# Allegro board DPU_PoE_A1_Sep27.brd
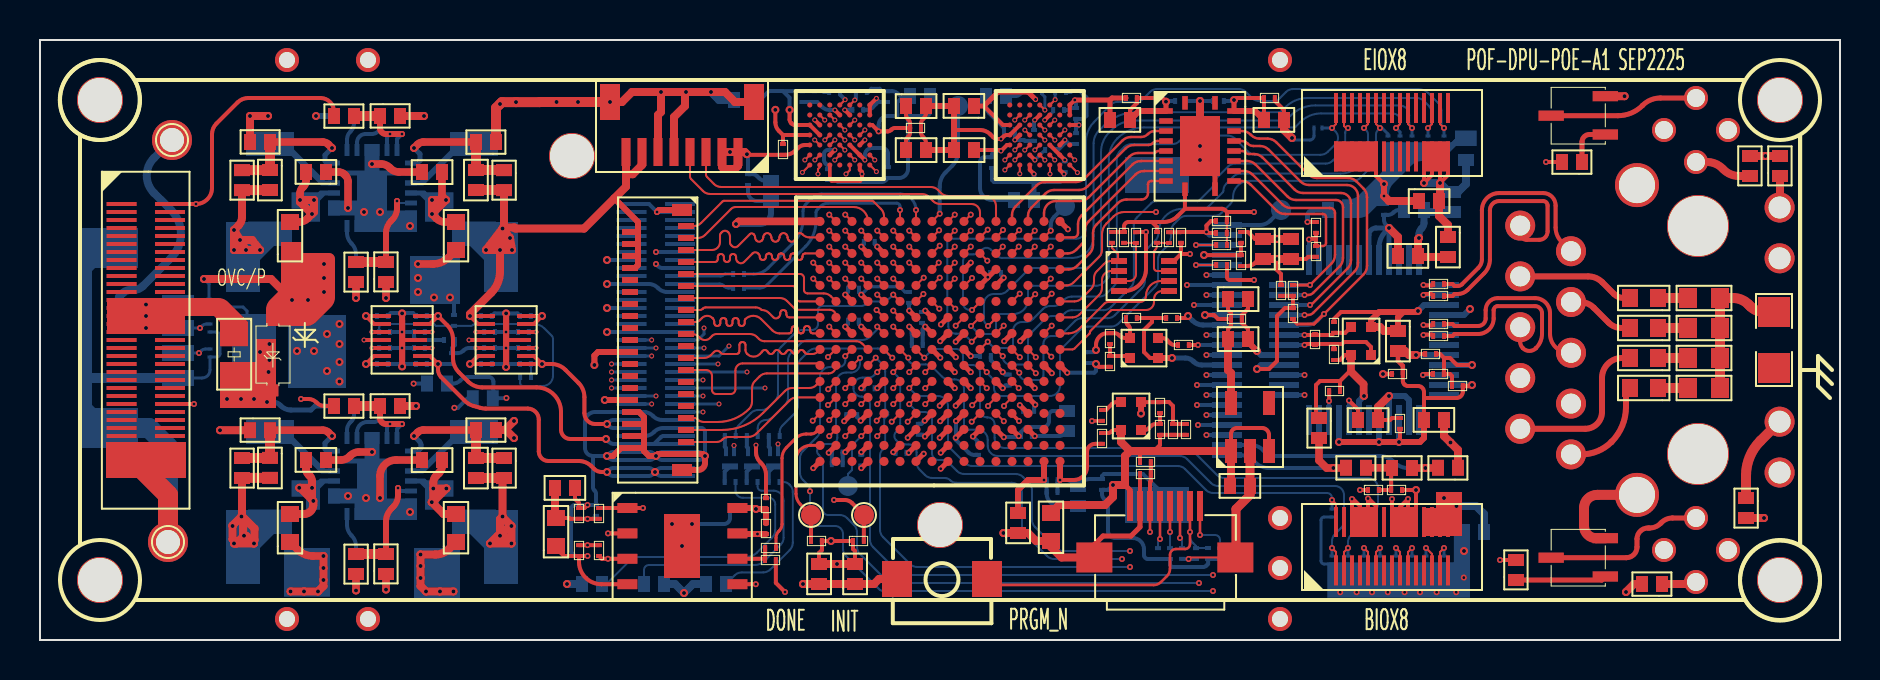
[diagram p0: board, top side]
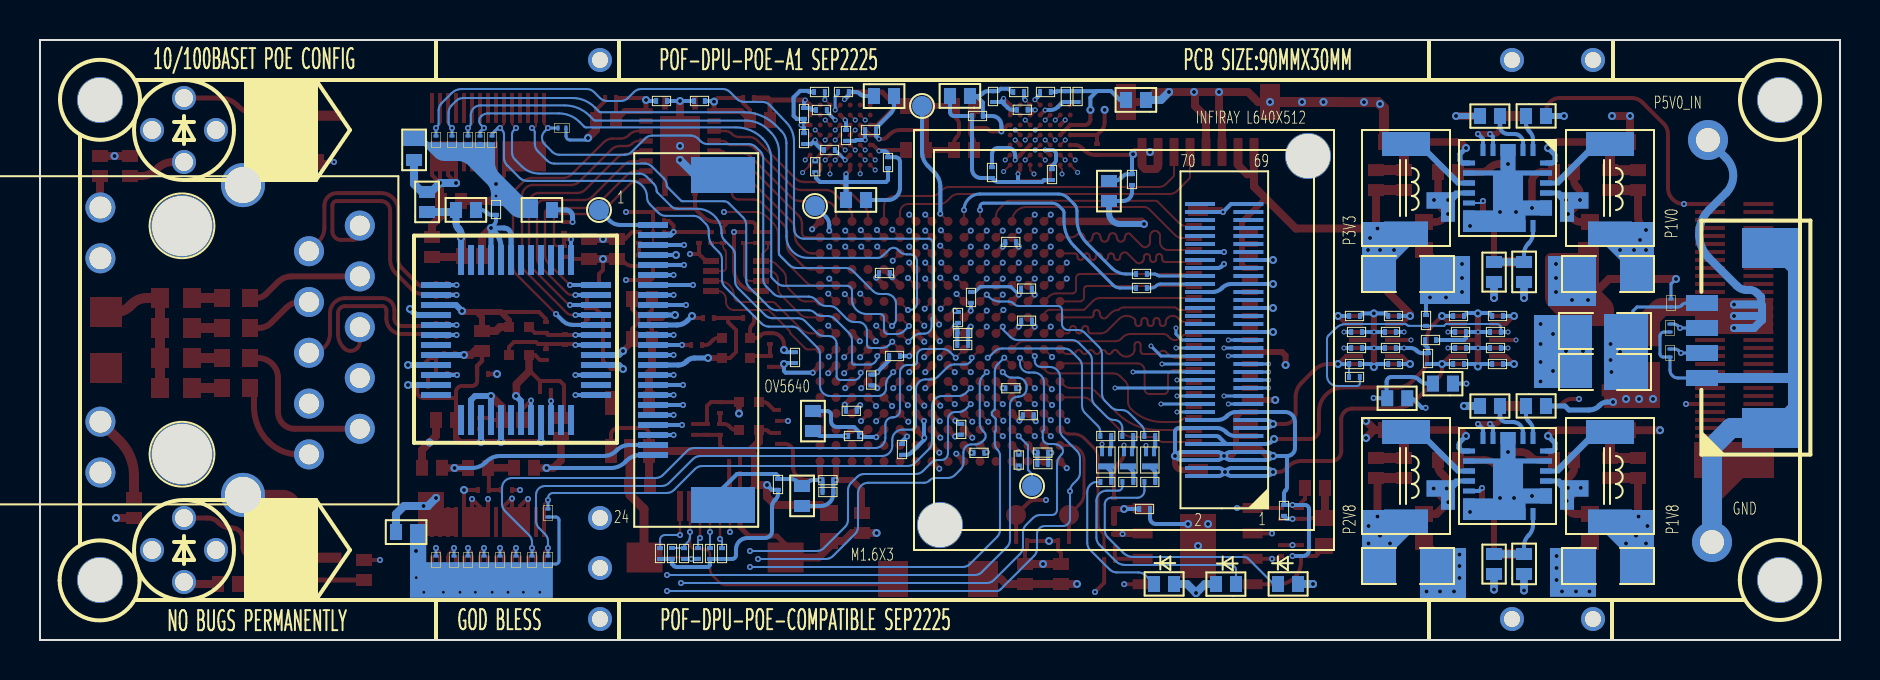
[diagram p1: board, bottom side, seen from below]

Outline 90 x 30 mm; copper layers: TOP, GND-2, SIG-3, VCC-4, GND-5, SIG-6, GND-7, BOTTOM. Coordinates in mm from the lower left corner of the outline.
Outline path: 0,30 90,30 90,0 0,0 0,30

## Design rules (mm)
constraint set DEFAULT: min track width 0.102, pair gap 0.2
net group CK: nets H1_D15 H1_RWDS1
net group DVP_MCLK: nets DVP_MCLK N763219
net group IO_LED_1: nets IO_LED_1 N1593321
net group IO_LED_2: nets IO_LED_2 N1593325
net group IO_LED_3: nets IO_LED_3 N1593329
net group IR_1V8_EN: nets IR_1V8_EN IR_3V3
net group IR_3V3_EN: nets IR_3V3_EN IR_5V0
net group IR_UART_RX: nets IR_UART_RX N2822398
net group IR_UART_TX: nets IR_UART_TX N2822416
net group MCLK: nets MCLK N900708
net group MG_DATABUS_8_15: nets IO-4 IR_D2
net group MIPI1_CLK: nets MIPI1_CLK+ MIPI1_CLK-
net group MIPI1_D0: nets MIPI1_D0+ MIPI1_D0-
net group MIPI1_D1: nets MIPI1_D1+ MIPI1_D1-
net group MIPI2_CLK: nets MIPI2_CLK+ MIPI2_CLK-
net group MIPI2_D0: nets MIPI2_D0+ MIPI2_D0-
net group MIPI2_D1: nets MIPI2_D1+ MIPI2_D1-
net group N2933507: nets N2933507 N2934366
net group P2V8: nets N1599549 N1613601
net group RN: nets N2902207 RN
net group RP: nets N2902219 RP
net group SYS_CLK: nets N990230 SYS_CLK
net group TN: nets N2902183 TN
net group TP: nets N2902195 TP
net group UPLD_TXD1: nets N3194743 UPLD_TXD1
net group UPLD_TXD2: nets N3195213 UPLD_TXD2
net group EN_ME1: nets BIO-7 EN_ME1 EN_ME2 PWR_EN1 PWR_EN2
net group GND_EARTH: nets GND_EARTH N2975066 N2979599 N2979611 N2981115 N2982594 N29811470 N29812170 N29812430 N29812690
net group H1_CK: nets H1_CKN
net group MG1: nets H2_CKN H2_CKP H2_D0 H2_D1 H2_D2 H2_D3 H2_D4 H2_D5 H2_D6 H2_D7 H2_D8 H2_D9 H2_D10 H2_D12 H2_D13 H2_D14 H2_D15 H2_RWDS0 H2_RWDS1
net group MG2: nets H1_CKP H1_CS H1_D0 H1_D1 H1_D2 H1_D3 H1_D4 H1_D5 H1_D6 H1_D7 H1_D8 H1_D9 H1_D10 H1_D11 H1_D12 H1_D13 H1_D14 H1_RWDS0
net group MG_BT1120: nets BIO-1 BIO-3 BIO-4
net group MG_DATABUS_0_7: nets H2_D11
net group MG_DVP: nets DVP_D0 DVP_D1 DVP_D2 DVP_D3 DVP_D4 DVP_D5 DVP_D6 DVP_D7 DVP_HSYNC DVP_PCLK DVP_VSYNC
net group MG_IR_CAM: nets IR_D0 IR_D1 IR_D3 IR_D4 IR_D5 IR_D6 IR_D7 IR_D8 IR_D9 IR_D10 IR_D11 IR_D12 IR_D13 IR_D14 IR_D15 IR_HSYNC IR_PCLK IR_VSYNC

## Placement (name value [footprint] x y rotation side)
C1  0.1uF  [C0201_SMT]  54.3 27.1 0 top
C2  0.1uF  [C0201_SMT]  61.2 27.1 0 top
C3  10uF  [C0402_SMT]  43.3 26.7 0 top
C4  10uF  [C0402_SMT]  46.7 26.7 180 top
C5  10uF  [C0402_SMT]  70.65 21.4 90 bottom
C6  10uF  [C0402_SMT]  34.7 27 0 bottom
C7  10uF  [C0402_SMT]  54.5 26 180 top
C8  10uF  [C0402_SMT]  62.2 26 180 top
C9  0.1uF  [C0201_SMT]  44.05 25.6 180 top
C10  4.7uF  [C0201_SMT]  37.15 24.8 270 top
C11  10uF  [C0402_SMT]  43.3 24.5 0 top
C12  0.1uF  [C0402_SMT]  45.7 24.5 0 top
C13  0.1uF  [C0402_SMT]  14.3 23.4 180 top
C14  0.1uF  [C0402_SMT]  19.1 23.4 0 top
C15  200pF  [C0402_SMT]  11.5 23.5 270 top
C16  16pF  [C0402_SMT]  21.8 23.5 270 top
C17  10uF  [C0402_SMT]  68.95 21.95 0 top
C18  4.7uF  [C0201_SMT]  58.8 20.95 0 top
C19  0.1uF  [C0201_SMT]  58.8 20.35 0 top
C20  22uF  [C0603_SMT]  12.5 19.5 90 top
C21  22uF  [C0603_SMT]  20.8 19.5 90 top
C22  0.1uF  [C0201_SMT]  57.05 20.4 270 top
C23  10uF  [C0402_SMT]  62.55 19.05 90 top
C24  10uF  [C0402_SMT]  61.15 20.05 270 top
C25  0.1uF  [C0201_SMT]  63.8 19.7 270 top
C26  0.1uF  [C0201_SMT]  60.05 18.7 90 top
C27  0.1uF  [C0201_SMT]  62.05 17.75 270 top
C28  10nF/100V  [C0603_SMT]  80.9 17.1 180 top
C29  0.1uF  [C0201_SMT]  59.55 16.05 0 top
C30  0.1uF  [C0201_SMT]  54.3 16.1 0 top
C31  0.1uF  [C0201_SMT]  56.85 16.1 180 top
C32  12pF  [C0201_SMT]  64.7 15.9 270 top
C33  10nF/100V  [C0603_SMT]  80.9 15.6 180 top
C34  10uF  [C0402_SMT]  59.4 17.05 0 top
C35  1000pF/2KV  [C1206_SMT]  87.5 13.4 90 top
C36  10uF  [C0402_SMT]  67.9 15.45 270 top
C37  0.1uF  [C0201_SMT]  69.8 14.3 180 top
C38  12pF  [C0201_SMT]  64.7 14 90 top
C39  10nF/100V  [C0603_SMT]  80.9 14.1 180 top
C40  10uF  [C0402_SMT]  68.9 19.2 180 top
C41  0.1uF  [C0201_SMT]  70.6 12.7 0 top
C42  10nF/100V  [C0603_SMT]  80.9 12.6 180 top
C43  10nF  [C0201_SMT]  65 12.45 180 top
C44  4.7uF  [C0402_SMT]  65.9 11 0 top
C45  10uF  [C0402_SMT]  70.2 11 180 top
C46  0.1uF  [C0201_SMT]  68 11.1 270 top
C47  4.7uF  [C0201_SMT]  56.65 10.8 270 top
C48  10uF  [C0402_SMT]  59.4 15.05 0 top
C49  0.1uF  [C0201_SMT]  53.1 10.35 270 top
C50  0.1uF  [C0402_SMT]  14.3 9 180 top
C51  0.1uF  [C0402_SMT]  19.1 9 0 top
C52  39pF  [C0402_SMT]  11.5 9.11 270 top
C53  20pF  [C0402_SMT]  21.8 9.1 270 top
C54  22uF  [C0603_SMT]  50.55 6.35 270 top
C55  10uF  [C0402_SMT]  26.75 7.6 180 top
C56  0.1uF  [C0201_SMT]  66.4 7.5 0 top
C57  0.1uF  [C0201_SMT]  36.3 6.55 90 top
C58  470nF  [C0201_SMT]  57.8 4.05 90 bottom
C59  0.1uF  [C0201_SMT]  26.95 6.6 270 top
C60  10uF  [C0402_SMT]  48.9 5.35 90 top
C61  22uF  [C0603_SMT]  12.5 4.9 90 top
C62  22uF  [C0603_SMT]  20.8 4.9 90 top
C63  22uF  [C0603_SMT]  25.8 4.7 90 top
C64  0.1uF  [C0201_SMT]  26.95 4.2 90 top
C65  10uF  [C0402_SMT]  60.5 7.7 180 top
C66  10uF  [C0402_SMT]  38.95 2.8 90 top
C67  10uF  [C0402_SMT]  48.3 27.2 180 bottom
C68  10uF  [C0402_SMT]  43.5 27.2 0 bottom
C69  10uF  [C0402_SMT]  36.55 22.95 270 bottom
C70  0.1uF  [C0201_SMT]  42.35 26.9 90 bottom
C71  0.1uF  [C0201_SMT]  38.71 26.9 90 bottom
C72  0.1uF  [C0201_SMT]  38.12 26.9 90 bottom
C73  0.1uF  [C0201_SMT]  58.65 26.95 0 bottom
C74  0.1uF  [C0201_SMT]  57.3 26.95 180 bottom
C75  0.1uF  [C0201_SMT]  41.16 26.51 180 bottom
C76  0.1uF  [C0201_SMT]  51.2 26.5 180 bottom
C77  0.1uF  [C0201_SMT]  51.8 26.6 270 bottom
C78  0.1uF  [C0201_SMT]  43.4 26.2 180 bottom
C79  0.1uF  [C0201_SMT]  48.2 25.5 0 bottom
C80  0.1uF  [C0201_SMT]  49.7 25.5 270 bottom
C81  0.1uF  [C0201_SMT]  51.8 24.8 90 bottom
C82  10uF  [C0402_SMT]  71.3 24 90 bottom
C83  0.1uF  [C0201_SMT]  50.8 24.5 180 bottom
C84  0.1uF  [C0201_SMT]  47.6 23.6 90 bottom
C85  0.1uF  [C0201_SMT]  51.24 23.39 90 bottom
C86  0.1uF  [C0201_SMT]  42.4 23.1 90 bottom
C87  0.1uF  [C0201_SMT]  39.4 23 90 bottom
C88  0.1uF  [C0201_SMT]  35.4 22.75 90 bottom
C89  10uF  [C0402_SMT]  70.4 20.15 270 top
C90  10uF  [C0402_SMT]  48.7 22 0 bottom
C91  0.1uF  [C0201_SMT]  67.2 21.8 270 bottom
C92  10uF  [C0402_SMT]  68.2 21.5 0 bottom
C93  10uF  [C0402_SMT]  64.4 21.5 0 bottom
C94  0.1uF  [C0201_SMT]  41.74 19.9 180 bottom
C95  1uF  [C0402_SMT]  15.8 17.9 90 bottom
C96  4.7uF  [C0201_SMT]  48.05 18.35 180 bottom
C97  33uF  [C1206_SMT]  23.2 17.5 180 bottom
C98  47uF  [C1206_SMT]  10 19.1 0 bottom
C99  4.7uF  [C0201_SMT]  40.95 17.57 180 bottom
C100  0.1uF  [C0201_SMT]  43.45 17.4 270 bottom
C101  4.7uF  [C0201_SMT]  24 16.2 0 bottom
C102  4.7uF  [C0201_SMT]  22.05 16.2 0 bottom
C103  4.7uF  [C0201_SMT]  18.8 16.2 0 bottom
C104  4.7uF  [C0201_SMT]  16.85 16.2 0 bottom
C105  0.1uF  [C0201_SMT]  44.1 16.4 270 bottom
C106  0.1uF  [C0201_SMT]  40.4 15.96 0 bottom
C107  22uF/25V  [C1206_SMT]  13.35 14.65 180 bottom
C108  0.1uF  [C0201_SMT]  20.7 16.25 270 bottom
C109  0.1uF  [C0201_SMT]  23.9 15.4 0 bottom
C110  0.1uF  [C0201_SMT]  18.7 15.4 0 bottom
C111  0.1uF  [C0201_SMT]  43.59 15.35 0 bottom
C112  0.1uF  [C0201_SMT]  20.2 15 0 bottom
C113  0.1uF  [C0201_SMT]  44.14 14.75 180 bottom
C114  0.1uF  [C0201_SMT]  23.9 14.6 0 bottom
C115  0.1uF  [C0201_SMT]  18.7 14.6 0 bottom
C116  0.1uF  [C0201_SMT]  47 14.2 0 bottom
C117  0.1uF  [C0201_SMT]  52.25 13.85 90 bottom
C118  4.7uF  [C0201_SMT]  24 13.8 0 bottom
C119  4.7uF  [C0201_SMT]  22.05 13.8 0 bottom
C120  4.7uF  [C0201_SMT]  18.8 13.8 0 bottom
C121  4.7uF  [C0201_SMT]  16.85 13.8 0 bottom
C122  22uF/25V  [C1206_SMT]  13.35 12.6 180 bottom
C123  0.1uF  [C0201_SMT]  48.44 13.27 270 bottom
C124  0.1uF  [C0201_SMT]  41.73 12.59 180 bottom
C125  4.7uF  [C0201_SMT]  49.16 11.46 0 bottom
C126  0.1uF  [C0201_SMT]  40.31 11.24 0 bottom
C127  10uF  [C0402_SMT]  51.35 11.45 270 bottom
C128  0.1uF  [C0201_SMT]  43.94 10.81 270 bottom
C129  0.1uF  [C0201_SMT]  49.05 10.2 0 bottom
C130  4.7uF  [C0201_SMT]  46.9 9.8 270 bottom
C131  0.1uF  [C0201_SMT]  39.58 9.37 0 bottom
C132  0.1uF  [C0201_SMT]  43.32 9.36 180 bottom
C133  0.1uF  [C0201_SMT]  41.06 8.72 90 bottom
C134  4.7uF  [C0201_SMT]  40.13 8.79 180 bottom
C135  0.1uF  [C0201_SMT]  50.88 7.99 180 bottom
C136  0.1uF  [C0201_SMT]  50.33 7.4 0 bottom
C137  4.7uF  [C0201_SMT]  53.1 8.05 270 bottom
C138  10uF  [C0402_SMT]  51.9 6.7 90 bottom
C139  4.7uF  [C0201_SMT]  57.3 10.8 270 top
C140  0.1uF  [C0201_SMT]  34.5 6.55 0 bottom
C141  0.1uF  [C0201_SMT]  27.8 6.75 270 bottom
C142  10uF  [C0402_SMT]  72.2 5.4 180 bottom
C143  1uF  [C0402_SMT]  15.8 3.3 90 bottom
C144  33uF  [C1206_SMT]  23.2 2.9 180 bottom
C145  47uF  [C1206_SMT]  10 4.5 0 bottom
C146  10uF  [C0402_SMT]  40.75 2.8 90 top
D1  PESD2V0Y1BSF  [DSN0603-2]  63.7 25.6 0 bottom
D2  PESD2V0Y1BSF  [DSN0603-2]  70.2 24.8 90 bottom
D3  PESD2V0Y1BSF  [DSN0603-2]  69.4 24.8 90 bottom
D4  PESD2V0Y1BSF  [DSN0603-2]  68.6 24.8 90 bottom
D5  PESD2V0Y1BSF  [DSN0603-2]  68 24.8 90 bottom
D6  PESD2V0Y1BSF  [DSN0603-2]  67.4 24.8 90 bottom
D7  BZT52C5V6-7-F  [SOD-123]  11.65 14.28 90 top
D8  PESD2V0Y1BSF  [DSN0603-2]  65.4 3.8 90 bottom
D9  PESD2V0Y1BSF  [DSN0603-2]  64.6 3.8 90 bottom
D10  PESD2V0Y1BSF  [DSN0603-2]  64.6 6.15 90 bottom
D11  PESD2V0Y1BSF  [DSN0603-2]  66.2 3.8 90 bottom
D12  PESD2V0Y1BSF  [DSN0603-2]  67 3.8 90 bottom
D13  PESD2V0Y1BSF  [DSN0603-2]  67.8 3.8 90 bottom
D14  PESD2V0Y1BSF  [DSN0603-2]  68.6 3.8 90 bottom
D15  PESD2V0Y1BSF  [DSN0603-2]  69.3 3.8 90 bottom
D16  PESD2V0Y1BSF  [DSN0603-2]  70.2 3.8 90 bottom
D17  LED  [LED0402_SMT]  34.3 2.8 180 bottom
D18  LED  [LED0402_SMT]  28.1 2.8 180 bottom
D19  LED  [LED0402_SMT]  30.2 2.8 0 bottom
D20  PESD2V0Y1BSF  [DSN0603-2]  8.45 17.05 270 bottom
D21  PESD2V0Y1BSF  [DSN0603-2]  8.5 15.4 90 bottom
D22  PESD2V0Y1BSF  [DSN0603-2]  8.5 14.15 90 bottom
F1  1AMP  [R0805]  9.7 15.29 270 top
FB1  BLM15PD121SN1D  [L0201_SMT]  60.05 20.4 270 top
FB2  BLM15PD121SN1D  [L0201_SMT]  67.6 13.3 0 top
FB3  BLM15PD121SN1D  [L0201_SMT]  68.1 7.5 180 top
J1  CONN-1X8P-0.8MM  [CONN-1X8P-0D8]  34.9 24.4 180 top
J2  CONN-2X15P  [DF40HC_3D0_30DS_0D4]  64.8 26.6 0 top
J3  DF40HC(3.0)-70DS-0.4V(51)  [DF40HC-70DS_]  6.5 21.8 270 top
J4  CONN-2X15P  [DF40HC_3D0_30DS_0D4]  64.8 5.9 0 top
J5  CONN-1X8  [FPC-0D5-8P]  58 6.7 180 top
J6  FPC-05F-24PH20  [FPC-0D5-24P]  59.35 9.25 90 bottom
J7  DF40HC(3.0)-70DS-0.4V(51)  [DF40HC-70DS_]  32 8.2 90 bottom
J8  HC-1.25-4PWT  [SMD-1D25-4P-DEG0]  6.9 13.1 90 bottom
L1  1uH/1A  [IND_SMD_4D4X4D2]  21.7 24.8 270 bottom
L2  1uH/1A  [IND_SMD_4D4X4D2]  11.5 24.8 270 bottom
L3  1uH/1A  [IND_SMD_4D4X4D2]  21.7 10.4 270 bottom
L4  1uH/1A  [IND_SMD_4D4X4D2]  11.5 10.4 270 bottom
LD1  LaserDiode  [LD_CIR_THR_4P]  82.8 25.5 270 bottom
LD2  LaserDiode  [LD_CIR_THR_4P]  82.8 4.5 270 bottom
NOREF  -  [unnamed]  3 27 0 top
NOREF#2  -  [unnamed#2]  82.9 9.3 0 top
NOREF#3  -  [unnamed#2]  82.9 20.7 0 top
NOREF#4  -  [unnamed]  87 27 0 top
NOREF#5  -  [#2]  0 0 90 top
NOREF#6  -  [unnamed]  3 3 0 top
NOREF#7  -  [unnamed]  87 3 0 top
NOREF#8  -  [unnamed]  26.6 24.2 0 top
NOREF#9  -  [unnamed]  45 5.75 0 top
NOREF#10  -  [#2]  0 30 0 top
Q1  BFR93AWH6327  [SOT23-3]  78.7 24.8 90 top
Q2  BFR93AWH6327  [SOT23-3]  78.7 2.7 90 top
Q3  BC847BMB,315  [DFN-3-1X0D6]  36.7 9 180 bottom
Q4  BC847BMB,315  [DFN-3-1X0D6]  35.6 9 180 bottom
Q5  BC847BMB,315  [DFN-3-1X0D6]  34.5 9 180 bottom
R1  0R  [R0402_SMT]  17 26.2 0 top
R2  DNP  [R0402_SMT]  15.7 26.2 180 top
R3  100K  [R0402_SMT]  10.5 24.9 0 top
R4  49.9K  [R0402_SMT]  22.8 24.9 180 top
R5  0R  [R0402_SMT]  77.1 23.9 180 top
R6  100R  [R0402_SMT]  85.5 23.2 90 top
R7  330R  [R0402_SMT]  87 23.2 90 top
R8  24.9K  [R0402_SMT]  10.1 23.5 270 top
R9  154K  [R0402_SMT]  23.2 23.5 270 top
R10  10K  [R0201_SMT]  63.8 20.9 270 top
R11  10K  [R0201_SMT]  53.6 20.4 270 top
R12  10K  [R0201_SMT]  54.2 20.4 270 top
R13  DNP  [R0201_SMT]  54.8 19.85 90 top
R14  10K  [R0201_SMT]  55.85 20.4 270 top
R15  DNP  [R0201_SMT]  56.45 19.85 90 top
R16  10K  [R0201_SMT]  59.35 19.75 180 top
R17  10K  [R0201_SMT]  59.35 18.75 180 top
R18  0R  [R0402_SMT]  17.3 17.9 90 top
R19  DNP  [R0402_SMT]  15.8 18.9 270 top
R20  33R  [R0201_SMT]  70.2 17.8 180 top
R21  10K  [R0201_SMT]  62.65 17.75 270 top
R22  33R  [R0201_SMT]  70.2 17.2 180 top
R23  75  [R0603_SMT]  82.4 17.1 0 top
R24  10K  [R0201_SMT]  62.65 16.05 90 top
R25  33R  [R0201_SMT]  70.2 15.8 180 top
R26  75  [R0603_SMT]  82.4 15.6 0 top
R27  33R  [R0201_SMT]  70.2 15.2 180 top
R28  0R  [R0201_SMT]  53.5 14.8 90 top
R29  1M  [R0201_SMT]  63.75 14.75 90 top
R30  33R  [R0201_SMT]  56.9 14.75 0 top
R31  75  [R0603_SMT]  82.4 14.1 0 top
R32  DNP  [R0201_SMT]  53.5 14.2 270 top
R33  12.4K,1%  [R0201_SMT]  69.65 13.3 0 top
R34  75  [R0603_SMT]  82.4 12.6 0 top
R35  0R  [R0402_SMT]  17 11.7 0 top
R36  DNP  [R0402_SMT]  15.7 11.7 180 top
R37  DNP  [R0201_SMT]  56 11.35 90 top
R38  33R  [R0201_SMT]  53.1 11.5 270 top
R39  0R  [R0201_SMT]  56 10.8 270 top
R40  100K  [R0402_SMT]  10.5 10.49 0 top
R41  48K  [R0402_SMT]  22.8 10.5 180 top
R42  0R  [R0402_SMT]  63.95 11.1 270 top
R43  DNP  [R0402_SMT]  66.3 8.61 180 top
R44  0R  [R0402_SMT]  67.6 8.6 0 top
R45  DNP  [R0402_SMT]  70.9 8.61 180 top
R46  125K  [R0402_SMT]  10.1 9.1 270 top
R47  120K  [R0402_SMT]  23.2 9.1 270 top
R48  4.7K  [R0201_SMT]  40.65 4.95 0 top
R49  330R  [R0402_SMT]  85.3 7.1 270 top
R50  4.7K  [R0201_SMT]  58.4 4.6 270 bottom
R51  4.7K  [R0201_SMT]  27.95 6.6 270 top
R52  4.7K  [R0201_SMT]  36.3 5.3 90 top
R53  4.7K  [R0201_SMT]  38.55 4.95 0 top
R54  33R  [R0201_SMT]  36.8 4.6 180 top
R55  4.7K  [R0201_SMT]  27.95 4.2 90 top
R56  DNP  [R0201_SMT]  36.25 4 0 top
R57  0R  [R0402_SMT]  17.3 3.3 90 top
R58  DNP  [R0402_SMT]  15.8 4.3 270 top
R59  0R  [R0402_SMT]  73.8 3 90 top
R60  100R  [R0402_SMT]  81.1 2.8 180 top
R61  2.2K  [R0201_SMT]  51.3 27.4 180 bottom
R62  2.2K  [R0201_SMT]  50.1 27.4 180 bottom
R63  2.2K  [R0201_SMT]  41.34 27.4 180 bottom
R64  2.2K  [R0201_SMT]  40 27.4 180 bottom
R65  10K  [R0402_SMT]  15.7 26.2 180 bottom
R66  10K  [R0402_SMT]  17 26.2 0 bottom
R67  10R  [R0402_SMT]  17.3 18.9 270 bottom
R68  0R  [R0201_SMT]  35.2 18.3 180 bottom
R69  0R  [R0201_SMT]  35.2 17.6 180 bottom
R70  100K  [R0201_SMT]  22.75 15.4 180 bottom
R71  100K  [R0201_SMT]  17.5 15.4 180 bottom
R72  100K  [R0201_SMT]  22.75 14.6 180 bottom
R73  100K  [R0201_SMT]  17.5 14.6 180 bottom
R74  100K  [R0201_SMT]  24.55 13.15 180 bottom
R75  100K  [R0201_SMT]  20.6 13.8 90 bottom
R76  10K  [R0402_SMT]  15.7 11.7 180 bottom
R77  10K  [R0402_SMT]  17 11.7 0 bottom
R78  1K  [R0201_SMT]  36.98 10.2 180 bottom
R79  1K  [R0201_SMT]  35.88 10.2 180 bottom
R80  1K  [R0201_SMT]  34.78 10.2 180 bottom
R81  20K  [R0201_SMT]  36.44 7.9 0 bottom
R82  20K  [R0201_SMT]  35.34 7.9 0 bottom
R83  20K  [R0201_SMT]  34.23 7.9 0 bottom
R84  10R  [R0402_SMT]  17.3 4.3 270 bottom
R85  4.7K  [R0201_SMT]  59 4.05 90 bottom
R86  2.2K  [R0201_SMT]  57.1 4.6 270 bottom
R87  4.7K  [R0201_SMT]  56.5 4.05 90 bottom
R88  4.7K  [R0201_SMT]  55.9 4.05 90 bottom
R89  1K  [R0201_SMT]  55 8.9 0 top
R90  DNP  [R0201_SMT]  55 8.3 0 top
R91  1K  [R0402_SMT]  19.35 12.82 0 bottom
R92  1K  [R0402_SMT]  21.64 12.09 0 bottom
SW1  SW KEY-SPST  [SW_SMD_2P_L3D9_W3D0_P4D5]  42.85 3.05 0 top
TP1  T POINT R  [TP_THR_CIR_2D0_1D2]  6.6 25 0 top
TP2  T POINT F  [TP_SMD_1D0_NP]  41.2 6.25 0 top
TP3  T POINT R  [TP_THR_CIR_2D0_1D2]  6.4 4.9 0 top
TP4  T POINT F  [TP_SMD_1D0_NP]  38.55 6.25 0 top
TP5  T POINT F  [TP_SMD_1D0_NP]  45.9 26.7 180 bottom
TP6  T POINT F  [TP_SMD_1D0_NP]  51.25 21.7 180 bottom
TP7  T POINT F  [TP_SMD_1D0_NP]  62.05 21.5 180 bottom
TP8  T POINT F  [TP_SMD_1D0_NP]  40.4 7.7 180 bottom
TP9  T POINT F  [TP_THR_CIR_0D8_1D2]  62 29 0 top
TP10  T POINT F  [TP_THR_CIR_0D8_1D2]  62 6.1 0 top
TP11  T POINT F  [TP_THR_CIR_0D8_1D2]  62 3.6 0 top
TP12  T POINT F  [TP_THR_CIR_0D8_1D2]  62 1.05 0 top
TP13  T POINT F  [TP_THR_CIR_0D8_1D2]  12.35 29 0 top
TP14  T POINT F  [TP_THR_CIR_0D8_1D2]  12.35 1.05 0 top
TP15  T POINT F  [TP_THR_CIR_0D8_1D2]  16.4 1.05 0 top
TP16  T POINT F  [TP_THR_CIR_0D8_1D2]  16.4 29 0 top
U1  W958D6NBKX4I  [WFBGA-49]  38.49 26.75 0 top
U2  W958D6NBKX4I  [WFBGA-49]  48.49 26.75 0 top
U3  TXS0108ERGYR  [VQFN-20]  58 24.7 270 top
U4  CAT25512HU5I-GT3  [UDFN-8-2X3]  56.45 18.95 270 top
U5  TPS22976DPUR  [WSON-14-EP]  19 16.2 270 top
U6  TPS22976DPUR  [WSON-14-EP]  24.2 16.2 270 top
U7  LIFCL-40-7BG256I  [CABGA-256]  51 8.93 180 top
U8  TLV75515PDBVR  [SOT-23-5]  59.55 9.45 90 top
U9  W25Q32JWZPIQ_TR  [WSON-8-EP-6X5MM]  32.1 4.7 0 top
U11  MAX20416ATGD/V+  [TQFN-24]  16.6 22.6 0 bottom
U12  W5500  [LQFP-48]  66.2 15 270 bottom
U13  HY931147C  [RJ-45-POE]  82.9 15 90 bottom
U14  MAX20416ATGD/V+  [TQFN-24]  16.6 8.2 0 bottom
Y1  Hirose FH35C-39S-0.3SHW  [FH35C-39S-0D3SHW]  32.3 15 90 top
Y2  XRCGB-25MHz  [SMD2016-4P]  65.55 14.25 90 top
Y3  24.0MHz  [SMD2016-4P]  54.5 15.1 0 top
Y4  25.0MHz  [SMD2016-4P]  54.05 10.5 90 top

## Library data of the parts
C1-C33 C35-C53 C55-C62 C64-C96 C99-C106 C108-C121 C123-C143 C146 = CAP NP: signal model: DEFAULT_CAPACITOR_1e+07pF_2_1
C34 C54 C63 C97 C98 C107 C122 C144 C145 = CAP NP: signal model: DEFAULT_CAPACITOR_2.2e+07pF_2_1
D1-D6 D8-D16 D20-D22 = DIODE TVS BI-DIR
D7 = DIODE ZENER
D17-D19 = LED
F1 = FUSE
FB1-FB3 = INDUCTOR
J1 = CONN-1X8P
J2 J4 = CONN-2X15P
J3 J7 = Header2x35
J5 = CONN-1X8
J6 = OV5640-FPC-24P-DVP
J8 = SIP-1x4
L1-L4 = INDUCTOR: signal model: DEFAULT_INDUCTOR_4700nH_2_1
LD1 LD2 = LaserDiode_0
Q1 Q2 = 2SC1815
Q3-Q5 = MMBT2222AL
R1-R41 R46-R69 R74-R80 R84-R92 = R: signal model: DEFAULT_RESISTOR_10000OHM_2_1
R42-R45 R70-R73 R81-R83 = R
SW1 = SW KEY-SPST
TP1 TP3 = T POINT R
TP2 TP4-TP16 = T POINT F
U1 U2 = W958D6NBKX4I
U3 = TXS0108ERGYR
U4 = CAT25512HU5I-GT3
U5 U6 = TPS22976DPUR
U7 = LIFCL-40-BG256
U8 = TLV75515PDBVR
U9 = GD25Q128ESIGR
U11 U14 = MAX20416ATGD/V+
U12 = W5500
U13 = HY931147C
Y1 = FH35C-39S-0DSHW
Y2 = CRY2016-4P
Y3 Y4 = OSCILLATOR

## Footprints (pads in the part's own frame, mm; a bottom-side part is the same pattern mirrored in y, then rotated)
C0201_SMT
  rect 0.2x0.3 smd: 1(0,0) 2(0.544,0)
C0402_SMT
  rect 0.6x0.8 smd: 1(0,0) 2(1,0)
C0603_SMT
  rect 0.8x0.9 smd: 1(0,0) 2(1.4,0)
C1206_SMT
  rect 1.5x1.6 smd: 1(0.2,0.8) 2(3,0.8)
CABGA-256
  round 0.45 smd: A1(0,0) A2(0.8,0) A3(1.6,0) A4(2.4,0) A5(3.2,0) A6(4,0) A7(4.8,0) A8(5.6,0) A9(6.4,0) A10(7.2,0) A11(8,0) A12(8.8,0) A13(9.6,0) A14(10.4,0) A15(11.2,0) A16(12,0) B1(0,-0.8) B2(0.8,-0.8) B3(1.6,-0.8) B4(2.4,-0.8) B5(3.2,-0.8) B6(4,-0.8) B7(4.8,-0.8) B8(5.6,-0.8) B9(6.4,-0.8) B10(7.2,-0.8) B11(8,-0.8) B12(8.8,-0.8) B13(9.6,-0.8) B14(10.4,-0.8) B15(11.2,-0.8) B16(12,-0.8) C1(0,-1.6) C2(0.8,-1.6) C3(1.6,-1.6) C4(2.4,-1.6) C5(3.2,-1.6) C6(4,-1.6) C7(4.8,-1.6) C8(5.6,-1.6) C9(6.4,-1.6) C10(7.2,-1.6) C11(8,-1.6) C12(8.8,-1.6) C13(9.6,-1.6) C14(10.4,-1.6) C15(11.2,-1.6) C16(12,-1.6) D1(0,-2.4) D2(0.8,-2.4) D3(1.6,-2.4) D4(2.4,-2.4) D5(3.2,-2.4) D6(4,-2.4) D7(4.8,-2.4) D8(5.6,-2.4) D9(6.4,-2.4) D10(7.2,-2.4) D11(8,-2.4) D12(8.8,-2.4) D13(9.6,-2.4) D14(10.4,-2.4) D15(11.2,-2.4) D16(12,-2.4) E1(0,-3.2) E2(0.8,-3.2) E3(1.6,-3.2) E4(2.4,-3.2) E5(3.2,-3.2) E6(4,-3.2) E7(4.8,-3.2) E8(5.6,-3.2) E9(6.4,-3.2) E10(7.2,-3.2) E11(8,-3.2) E12(8.8,-3.2) E13(9.6,-3.2) E14(10.4,-3.2) E15(11.2,-3.2) E16(12,-3.2) F1(0,-4) F2(0.8,-4) F3(1.6,-4) F4(2.4,-4) F5(3.2,-4) F6(4,-4) F7(4.8,-4) F8(5.6,-4) F9(6.4,-4) F10(7.2,-4) F11(8,-4) F12(8.8,-4) F13(9.6,-4) F14(10.4,-4) F15(11.2,-4) F16(12,-4) G1(0,-4.8) G2(0.8,-4.8) G3(1.6,-4.8) G4(2.4,-4.8) G5(3.2,-4.8) G6(4,-4.8) G7(4.8,-4.8) G8(5.6,-4.8) G9(6.4,-4.8) G10(7.2,-4.8) G11(8,-4.8) G12(8.8,-4.8) G13(9.6,-4.8) G14(10.4,-4.8) G15(11.2,-4.8) G16(12,-4.8) H1(0,-5.6) H2(0.8,-5.6) H3(1.6,-5.6) H4(2.4,-5.6) H5(3.2,-5.6) H6(4,-5.6) H7(4.8,-5.6) H8(5.6,-5.6) H9(6.4,-5.6) H10(7.2,-5.6) H11(8,-5.6) H12(8.8,-5.6) H13(9.6,-5.6) H14(10.4,-5.6) H15(11.2,-5.6) H16(12,-5.6) J1(0,-6.4) J2(0.8,-6.4) J3(1.6,-6.4) J4(2.4,-6.4) J5(3.2,-6.4) J6(4,-6.4) J7(4.8,-6.4) J8(5.6,-6.4) J9(6.4,-6.4) J10(7.2,-6.4) J11(8,-6.4) J12(8.8,-6.4) J13(9.6,-6.4) J14(10.4,-6.4) J15(11.2,-6.4) J16(12,-6.4) K1(0,-7.2) K2(0.8,-7.2) K3(1.6,-7.2) K4(2.4,-7.2) K5(3.2,-7.2) K6(4,-7.2) K7(4.8,-7.2) K8(5.6,-7.2) K9(6.4,-7.2) K10(7.2,-7.2) K11(8,-7.2) K12(8.8,-7.2) K13(9.6,-7.2) K14(10.4,-7.2) K15(11.2,-7.2) K16(12,-7.2) L1(0,-8) L2(0.8,-8) L3(1.6,-8) L4(2.4,-8) L5(3.2,-8) L6(4,-8) L7(4.8,-8) L8(5.6,-8) L9(6.4,-8) L10(7.2,-8) L11(8,-8) L12(8.8,-8) L13(9.6,-8) L14(10.4,-8) L15(11.2,-8) L16(12,-8) M1(0,-8.8) M2(0.8,-8.8) M3(1.6,-8.8) M4(2.4,-8.8) M5(3.2,-8.8) M6(4,-8.8) M7(4.8,-8.8) M8(5.6,-8.8) M9(6.4,-8.8) M10(7.2,-8.8) M11(8,-8.8) M12(8.8,-8.8) M13(9.6,-8.8) M14(10.4,-8.8) M15(11.2,-8.8) M16(12,-8.8) N1(0,-9.6) N2(0.8,-9.6) N3(1.6,-9.6) N4(2.4,-9.6) N5(3.2,-9.6) N6(4,-9.6) N7(4.8,-9.6) N8(5.6,-9.6) N9(6.4,-9.6) N10(7.2,-9.6) N11(8,-9.6) N12(8.8,-9.6) N13(9.6,-9.6) N14(10.4,-9.6) N15(11.2,-9.6) N16(12,-9.6) P1(0,-10.4) P2(0.8,-10.4) P3(1.6,-10.4) P4(2.4,-10.4) P5(3.2,-10.4) P6(4,-10.4) P7(4.8,-10.4) P8(5.6,-10.4) P9(6.4,-10.4) P10(7.2,-10.4) P11(8,-10.4) P12(8.8,-10.4) P13(9.6,-10.4) P14(10.4,-10.4) P15(11.2,-10.4) P16(12,-10.4) R1(0,-11.2) R2(0.8,-11.2) R3(1.6,-11.2) R4(2.4,-11.2) R5(3.2,-11.2) R6(4,-11.2) R7(4.8,-11.2) R8(5.6,-11.2) R9(6.4,-11.2) R10(7.2,-11.2) R11(8,-11.2) R12(8.8,-11.2) R13(9.6,-11.2) R14(10.4,-11.2) R15(11.2,-11.2) R16(12,-11.2) T1(0,-12) T2(0.8,-12) T3(1.6,-12) T4(2.4,-12) T5(3.2,-12) T6(4,-12) T7(4.8,-12) T8(5.6,-12) T9(6.4,-12) T10(7.2,-12) T11(8,-12) T12(8.8,-12) T13(9.6,-12) T14(10.4,-12) T15(11.2,-12) T16(12,-12)
CONN-1X8P-0D8
  rect 0.45x1.4 smd: 1(0,0) 2(0.8,0) 3(1.6,0) 4(2.4,0) 5(3.2,0) 6(4,0) 7(4.8,0) 8(5.6,0)
  rect 1x1.8 smd: 9(-0.8,-2.5) 10(6.4,-2.5)
DF40HC-70DS_
  rect 0.2x1.5 smd: 1(0,-2.42) 2(0,0) 3(0.4,-2.42) 4(0.4,0) 5(0.8,-2.42) 6(0.8,0) 7(1.2,-2.42) 8(1.2,0) 9(1.6,-2.42) 10(1.6,0) 11(2,-2.42) 12(2,0) 13(2.4,-2.42) 14(2.4,0) 15(2.8,-2.42) 16(2.8,0) 17(3.2,-2.42) 18(3.2,0) 19(3.6,-2.42) 20(3.6,0) 21(4,-2.42) 22(4,0) 23(4.4,-2.42) 24(4.4,0) 25(4.8,-2.42) 26(4.8,0) 27(5.2,-2.42) 28(5.2,0) 29(5.6,-2.42) 30(5.6,0) 31(6,-2.42) 32(6,0) 33(6.4,-2.42) 34(6.4,0) 35(6.8,-2.42) 36(6.8,0) 37(7.2,-2.42) 38(7.2,0) 39(7.6,-2.42) 40(7.6,0) 41(8,-2.42) 42(8,0) 43(8.4,-2.42) 44(8.4,0) 45(8.8,-2.42) 46(8.8,0) 47(9.2,-2.42) 48(9.2,0) 49(9.6,-2.42) 50(9.6,0) 51(10,-2.42) 52(10,0) 53(10.4,-2.42) 54(10.4,0) 55(10.8,-2.42) 56(10.8,0) 57(11.2,-2.42) 58(11.2,0) 59(11.6,-2.42) 60(11.6,0) 61(12,-2.42) 62(12,0) 63(12.4,-2.42) 64(12.4,0) 65(12.8,-2.42) 66(12.8,0) 67(13.2,-2.42) 68(13.2,0) 69(13.6,-2.42) 70(13.6,0)
DF40HC_3D0_30DS_0D4
  rect 0.2x1.5 smd: 1(0,-2.42) 2(0,0) 3(0.4,-2.42) 4(0.4,0) 5(0.8,-2.42) 6(0.8,0) 7(1.2,-2.42) 8(1.2,0) 9(1.6,-2.42) 10(1.6,0) 11(2,-2.42) 12(2,0) 13(2.4,-2.42) 14(2.4,0) 15(2.8,-2.42) 16(2.8,0) 17(3.2,-2.42) 18(3.2,0) 19(3.6,-2.42) 20(3.6,0) 21(4,-2.42) 22(4,0) 23(4.4,-2.42) 24(4.4,0) 25(4.8,-2.42) 26(4.8,0) 27(5.2,-2.42) 28(5.2,0) 29(5.6,-2.42) 30(5.6,0)
DFN-3-1X0D6
  rect 0.2x0.3 smd: 1(0.2,0.34) 2(-0.2,0.34)
  rect 0.8x0.3 smd: 3(0,-0.32)
DSN0603-2
  rect 0.15x0.25 smd: 1(0,0) 2(0.4,0)
FH35C-39S-0D3SHW
  rect 0.3x0.8 smd: 1(5.7,0) 2(5.4,2.8) 3(5.1,0) 4(4.8,2.8) 5(4.5,0) 6(4.2,2.8) 7(3.9,0) 8(3.6,2.8) 9(3.3,0) 10(3,2.8) 11(2.7,0) 12(2.4,2.8) 13(2.1,0) 14(1.8,2.8) 15(1.5,0) 16(1.2,2.8) 17(0.9,0) 18(0.6,2.8) 19(0.3,0) 20(0,2.8) 21(-0.3,0) 22(-0.6,2.8) 23(-0.9,0) 24(-1.2,2.8) 25(-1.5,0) 26(-1.8,2.8) 27(-2.1,0) 28(-2.4,2.8) 29(-2.7,0) 30(-3,2.8) 31(-3.3,0) 32(-3.6,2.8) 33(-3.9,0) 34(-4.2,2.8) 35(-4.5,0) 36(-4.8,2.8) 37(-5.1,0) 38(-5.4,2.8) 39(-5.7,0)
  rect 0.6x1 smd: 40(6.5,0.2) 41(-6.5,0.2)
FPC-0D5-8P
  rect 0.3x1.5 smd: 1(0,0) 2(0.5,0) 3(1,0) 4(1.5,0) 5(2,0) 6(2.5,0) 7(3,0) 8(3.5,0)
  rect 1.8x1.5 smd: 9(-1.767,2.573) 10(5.283,2.573)
FPC-0D5-24P
  rect 0.3x1.5 smd: 1(11.5,0) 2(11,0) 3(10.5,0) 4(10,0) 5(9.5,0) 6(9,0) 7(8.5,0) 8(8,0) 9(7.5,0) 10(7,0) 11(6.5,0) 12(6,0) 13(5.5,0) 14(5,0) 15(4.5,0) 16(4,0) 17(3.5,0) 18(3,0) 19(2.5,0) 20(2,0) 21(1.5,0) 22(1,0) 23(0.5,0) 24(0,0)
  rect 1.8x3.2 smd: 25(-2.5,-3.5) 26(14,-3.5)
IND_SMD_4D4X4D2
  rect 1.05x2.2 smd: 1(0,0) 2(4.4,0)
L0201_SMT
  rect 0.2x0.3 smd: 1(0,0) 2(0.544,0)
LD_CIR_THR_4P
  round 1.2 hole 0.9: 1(1.6,0) 2(-1.6,0) 3(0,1.6) 4(0,-1.6)
LED0402_SMT
  rect 0.6x0.8 smd: 1(0,0) 2(1,0)
LQFP-48
  rect 0.3x1.5 smd: 1(-2.75,-4) 2(-2.25,-4) 3(-1.75,-4) 4(-1.25,-4) 5(-0.75,-4) 6(-0.25,-4) 7(0.25,-4) 8(0.75,-4) 9(1.25,-4) 10(1.75,-4) 11(2.25,-4) 12(2.75,-4) 25(2.75,4) 26(2.25,4) 27(1.75,4) 28(1.25,4) 29(0.75,4) 30(0.25,4) 31(-0.25,4) 32(-0.75,4) 33(-1.25,4) 34(-1.75,4) 35(-2.25,4) 36(-2.75,4)
  rect 1.5x0.3 smd: 13(4,-2.75) 14(4,-2.25) 15(4,-1.75) 16(4,-1.25) 17(4,-0.75) 18(4,-0.25) 19(4,0.25) 20(4,0.75) 21(4,1.25) 22(4,1.75) 23(4,2.25) 24(4,2.75) 37(-4,2.75) 38(-4,2.25) 39(-4,1.75) 40(-4,1.25) 41(-4,0.75) 42(-4,0.25) 43(-4,-0.25) 44(-4,-0.75) 45(-4,-1.25) 46(-4,-1.75) 47(-4,-2.25) 48(-4,-2.75)
R0201_SMT
  rect 0.2x0.3 smd: 1(0,0) 2(0.544,0)
R0402_SMT
  rect 0.6x0.8 smd: 1(0,0) 2(1,0)
R0603_SMT
  rect 0.9x1 smd: 1(0,0) 2(1.6,0)
R0805
  rect 1.2x1.4 smd: 1(0,0) 2(2,0)
RJ-45-POE
  round 1.5 hole 1: 1(5.72,-8.89) 2(4.44,-6.35) 3(3.18,-8.89) 4(1.9,-6.35) 5(0.64,-8.89) 6(-0.64,-6.35) 7(-1.9,-8.89) 8(-3.18,-6.35) 9(-4.44,-8.89) 10(-5.72,-6.35)
  round 1.5 hole 1.1: 11(6.625,4.08) 12(4.085,4.08) 13(-4.085,4.08) 14(-6.625,4.08)
  round 2.2 hole 1.8: GND1(-7.745,-3.05) GND2(7.745,-3.05)
SMD2016-4P
  rect 0.5x0.5 smd: 1(0,-1) 2(1.4,-1) 3(1.4,0) 4(0,0)
SMD-1D25-4P-DEG0
  rect 0.8x1.6 smd: 1(0,0) 2(1.25,0) 3(2.5,0) 4(3.75,0)
  rect 2x3 smd: 5(6.5,-3.5) 6(-2.5,-3.5)
SOD-123
  rect 0.6x0.55 smd: 1(-1.795,0.005) 2(1.795,0.005)
SOT23-3
  rect 0.51x1.27 smd: 1(0.476,0.434) 2(2.391,0.434) 3(1.415,3.142)
SOT-23-5
  rect 1.2x0.6 smd: 1(0,0) 2(0,-0.95) 3(0,-1.9) 4(2.4,-1.9) 5(2.4,0)
SW_SMD_2P_L3D9_W3D0_P4D5
  rect 1.5x1.8 smd: 1(0,0) 2(4.5,0)
TP_SMD_1D0_NP
  round 1 smd: 1(0,0)
TP_THR_CIR_0D8_1D2
  round 1.2 hole 0.8: 1(0,0)
TP_THR_CIR_2D0_1D2
  round 2 hole 1.2: 1(0,0)
TQFN-24
  rect 0.25x0.6 smd: 1(-1.25,-1.9) 2(-0.75,-1.9) 3(-0.25,-1.9) 4(0.25,-1.9) 5(0.75,-1.9) 6(1.25,-1.9) 13(1.25,1.9) 14(0.75,1.9) 15(0.25,1.9) 16(-0.25,1.9) 17(-0.75,1.9) 18(-1.25,1.9)
  rect 0.6x0.25 smd: 7(1.95,-1.25) 8(1.95,-0.75) 9(1.95,-0.25) 10(1.95,0.25) 11(1.95,0.75) 12(1.95,1.25) 19(-1.9,1.25) 20(-1.9,0.75) 21(-1.9,0.25) 22(-1.9,-0.25) 23(-1.9,-0.75) 24(-1.9,-1.25)
  rect 1.5x1.5 smd: EPAD(0,0)
UDFN-8-2X3
  rect 0.3x0.8 smd: 1(0,-2.5) 2(0.5,-2.5) 3(1,-2.5) 4(1.5,-2.5) 5(1.5,0) 6(1,0) 7(0.5,0) 8(0,0)
unnamed
  round 2.3 hole 2.2 unplated: (0,0)
unnamed#2
  round 3.1 hole 3 unplated: (0,0)
VQFN-20
  rect 0.68x0.28 smd: 1(-2.157,-0.75) 10(2.158,-0.75) 11(2.158,0.75) 20(-2.157,0.75)
  rect 0.28x0.68 smd: 2(-1.75,-1.7) 3(-1.25,-1.7) 4(-0.75,-1.7) 5(-0.25,-1.7) 6(0.25,-1.7) 7(0.75,-1.7) 8(1.25,-1.7) 9(1.75,-1.7) 12(1.75,1.7) 13(1.25,1.7) 14(0.75,1.7) 15(0.25,1.7) 16(-0.25,1.7) 17(-0.75,1.7) 18(-1.25,1.7) 19(-1.75,1.7)
  rect 3x2 smd: EPAD(0,0)
WFBGA-49
  round 0.25 smd: A1(0,0) A2(0.5,0) A3(1,0) A4(1.5,0) A5(2,0) A6(2.5,0) A7(3,0) B1(0,-0.5) B2(0.5,-0.5) B3(1,-0.5) B4(1.5,-0.5) B5(2,-0.5) B6(2.5,-0.5) B7(3,-0.5) C1(0,-1) C2(0.5,-1) C3(1,-1) C4(1.5,-1) C5(2,-1) C6(2.5,-1) C7(3,-1) D1(0,-1.5) D2(0.5,-1.5) D3(1,-1.5) D4(1.5,-1.5) D5(2,-1.5) D6(2.5,-1.5) D7(3,-1.5) E1(0,-2) E2(0.5,-2) E3(1,-2) E4(1.5,-2) E5(2,-2) E6(2.5,-2) E7(3,-2) F1(0,-2.5) F2(0.5,-2.5) F3(1,-2.5) F4(1.5,-2.5) F5(2,-2.5) F6(2.5,-2.5) F7(3,-2.5) G1(0,-3) G2(0.5,-3) G3(1,-3) G4(1.5,-3) G5(2,-3) G6(2.5,-3) G7(3,-3)
WSON-8-EP-6X5MM